# KiCad board PowerBox.kicad_pcb (continued)
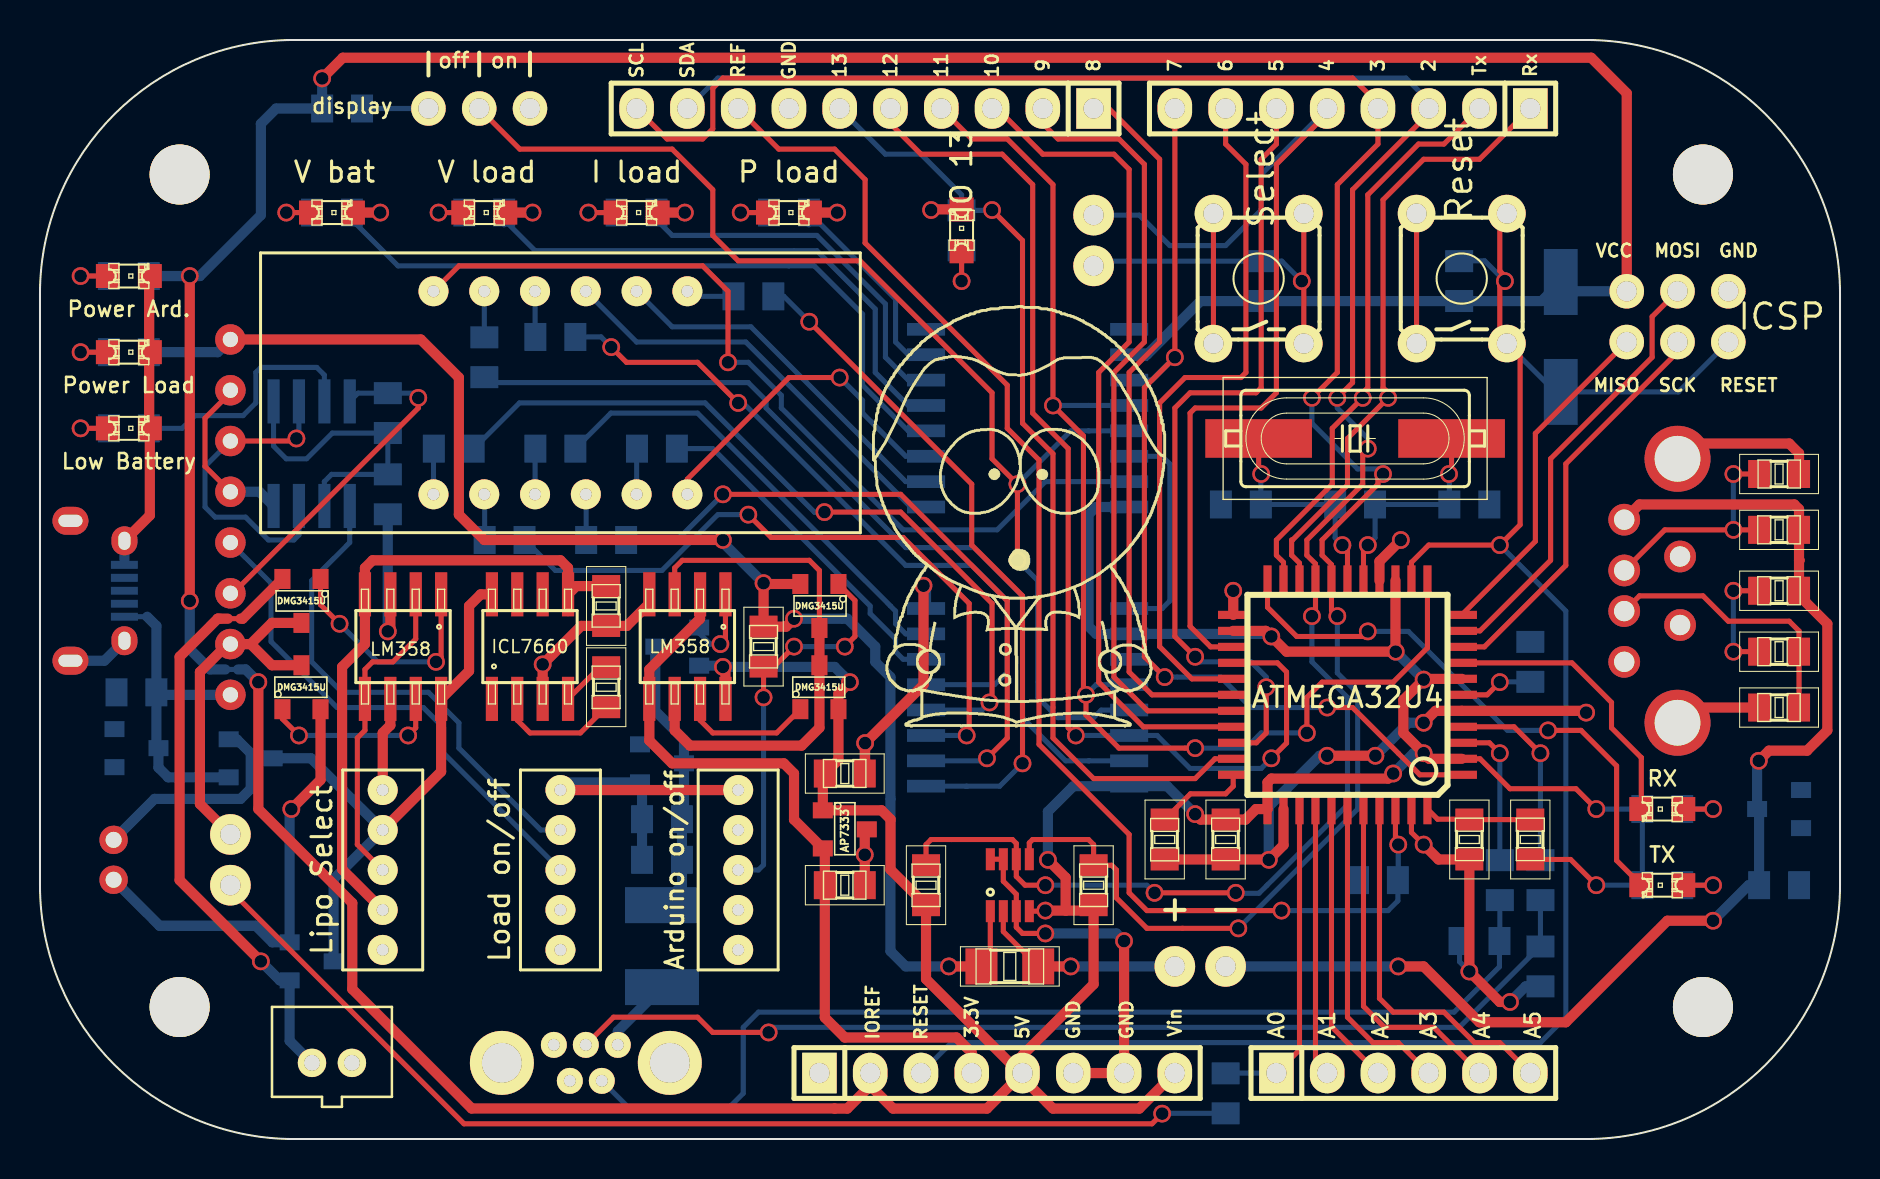
[diagram p0: board, top side]
## Routing (per net, layer and track width the routed paths; a pad name or vN(x,y) marks a point on that pad's centre or on a via; arc(x,y) is an arc through that point)
3V3: length 38.4
  Top w0.254: 39.16,12.8 C12.1
  Top w0.508: 33.02,27.25 33.02,26.03 30.48,23.5 30.48,19.94 31.62,18.8 37.21,18.8 37.72,18.29 37.72,15.98 U5.2 39.26,14.44 C12.1 39.26,6.08 40.26,5.08 45.85,5.08 46.61,4.32 P13.4
/Arduino/VCC: length 27.4
  Top w0.254: IC3.3 31.75,28.58 32.13,28.96 38.48,28.96 38.99,28.45 Q3.3 ; IC3.6 31.75,20.95
  Top w0.508: IC3.6 31.75,20.45 32.51,19.68 38.1,19.68 38.99,20.57 Q5.3 Q3.3
/Arduino/Vin+: length 74.8
  Top w0.254: R28.1 47.54,9.08 U4.1
  Top w0.508: v1(34.16,29.97) 22.22,29.97 20.95,31.24 20.95,38.1 19.05,40 PB1.8 ; v1(37.72,26.03) 37.32,25.64 R6.2 v1(36.19,27.81) 36.24,27.77 Q3.2 ; v1(45.47,8.64) R28.1
  Bottom w0.254: 8.89,39.37 PB1.8
  Bottom w0.508: PB1.8 8.89,39.37 R5.2 ; v1(36.19,27.81) 34.16,29.84 v1(34.16,29.97) ; v1(37.72,26.03) 40.39,26.03 41.78,24.64 41.78,23.88 42.54,23.11 42.54,9.4 43.31,8.64 v1(45.47,8.64)
/Arduino/Vin-: length 10.3
  Top w0.254: R28.2 48.19,10.38 U4.2
  Top w0.508: v1(51.56,8.64) R28.2
  Bottom w0.508: JP2.1 v1(51.56,8.64)
GND: length 195.6
  Top w0.254: 17.53,25.53 v1(17.4,25.4) ; v1(25.15,23.75) 25.27,23.88 ; PB1.5 8.25,33.66 8.25,36.07 9.53,37.34 PB1.7 ; 5.49,41.31 5.46,41.27 5.49,41.24 ; 5.49,37.37 5.46,37.34 5.49,37.3 ; 69.96,13.99 v1(69.22,14.73) 68.61,15.34 U6.43 ; 69.81,21.42 v1(69.22,20.83) ; 41.26,15.6 U5.3 41.26,15.39 ; 41.26,19.79 v1(41.28,19.81) ; 77.25,21.42 v1(77.34,21.34) ; v1(50.29,10.29) 49.15,10.29 48.84,10.6 U4.3 48.84,12.25 48.19,12.9 U4.7 U4.8 ; S4.2 S4.1 ; S5.2 S5.1
  Top w0.508: U5.3 41.26,15.39 v1(41.26,14.22) C12.2 ; v1(69.22,20.83) 69.81,21.42 U6.5 77.25,21.42 v1(77.34,21.34) ; v1(17.4,25.4) 17.53,25.53 IC2.3 ; D15.2 5.46,43.15 5.46,39.4 D5.2 5.46,39.34 5.46,35.59 D1.2 5.49,31.2 CON1.7 ; IC2.6 17.53,20.7 17.14,20.32 S1.5 ; v1(68.07,29.97) 67.01,28.91 U6.15 ; v1(69.22,14.73) 69.96,13.99 C18.2 v1(71.5,8.38) 73.03,6.86 v1(73.53,6.86) ; v1(44.58,46.48) 44.61,46.52 D16.2 ; v1(66.8,19.18) v1(64.39,19.18) ; CON2.8 82.68,21.59 R15.1 ; CON2.5 82.68,34.8 87.5,34.8 87.99,34.31 R12.1 ; 41.26,19.79 v1(41.28,19.81) ; 41.26,19.79 v1(41.28,19.81) ; 41.26,19.79 C9.2 ; 41.26,19.79 44.2,22.73 v1(44.2,27.69) ; v1(41.28,19.81) 41.28,18.31 ; v1(54.23,9.91) P13.7 P13.6 ; 30.48,27.25 30.48,26.8 29.35,25.67 C3.2 27.07,25.67 v1(25.15,23.75) U2.3 ; R35.1 C6.2 61.45,13.99 v1(61.47,13.97) 62.2,14.71 U6.35 ; S2.5 S3.4 ; D9.2 v1(39.88,46.36) ; D8.2 v1(32.26,46.36) ; D7.2 v1(24.64,46.36) ; U6.23 v1(59.69,27.43) ; D6.2 v1(17.02,46.36)
  Bottom w0.254: 30.12,17.74 D12.1 ; v1(71.5,8.38) 71.01,8.87 VR2.2 ; CON1.5 4.22,29.01 ; C8.2 29.81,13.97 ; D3.3 9.59,20
  Bottom w0.508: IC1.4 10.97,32.38 PB1.5 ; S2.5 26.42,17.84 D12.1 30.12,17.74 C10.2 C8.2 ; P2.1 5.73,17.02 10.03,17.02 10.54,17.53 10.54,19.3 9.84,20 D3.3 ; v1(73.53,6.86) 74.31,7.64 VR1.2 ; v1(66.8,19.18) 68.45,20.83 v1(69.22,20.83) ; v1(61.47,13.97) 61.47,16.64 64.01,19.18 v1(64.39,19.18) ; CON1.6 3.22,23.93 CON1.8 ; v1(44.2,27.69) 44.32,27.56 44.32,26.54 ; v1(54.23,9.91) 53.85,10.29 v1(50.29,10.29) ; R2.1 v1(17.4,25.4) ; CON1.7 4.22,29.01
A0: length 16.2
  Top w0.254: P14.1 63,4.46 U6.36
  Bottom w0.254: R37.1 59.33,3.3 P14.1
A1: length 13.4
  Top w0.254: P14.2 63.8,3.89 U6.37
A2: length 14.2
  Top w0.254: U6.38 64.6,5.63 P14.3
A3: length 15.6
  Top w0.254: P14.4 67.94,4.83 66.68,4.83 65.41,6.1 U6.39
A4: length 17.1
  Top w0.254: P14.5 69.72,5.59 67.26,5.59 66.21,6.64 U6.40
A5: length 18.6
  Top w0.254: P14.6 73.03,4.83 71.75,4.83 70.23,6.35 67.69,6.35 67.01,7.04 U6.41
AREF: length 68.8
  Top w0.254: v1(67.94,14.73) 67.81,14.87 U6.42 ; P11.8 36.96,49.53 39.75,49.53 41.28,48.01 41.28,44.83 48.39,37.72 48.39,35.56 49.97,33.97 49.97,19.75 54.48,15.24 54.48,12.32 55.37,11.43 v1(62.1,11.43)
  Bottom w0.254: 67.94,13.23 67.67,12.95 68.2,13.48 ; v1(62.1,11.43) 67.44,11.43 67.93,11.92 C16.1 67.94,12.97 v1(67.94,14.73)
Clock: length 52.9
  Top w0.254: U6.1 69.02,18.22 65.66,21.59 v1(64.39,21.59) ; P12.8 v1(56.77,39.12) 55.25,37.59 55.25,24.13 v1(56.26,23.11)
  Bottom w0.254: 55.63,37.97 v1(56.77,39.12) 55.63,37.97 ; 55.63,37.97 U3.11 ; U1.11 54.61,23.88 55.5,23.88 v1(56.26,23.11) 59.06,23.11 60.58,21.59 v1(64.39,21.59)
D0/RX: length 30.6
  Top w0.254: P12.1 72.01,49.02 69.22,49.02 67.18,46.99 67.18,37.59 67.44,37.34 v1(67.44,37.08) 65.41,35.05 65.41,32.72 62.65,29.97 62.61,29.97 62.61,29.21 63,28.82 U6.20
D1/TX: length 28.7
  Top w0.254: P12.2 70.23,49.78 68.96,49.78 66.42,47.24 66.42,37.59 66.17,37.34 v1(66.17,37.08) 64.64,35.56 64.64,32.77 61.85,29.97 61.85,29.21 62.2,28.85 U6.21
D2/SDA: length 104.6
  Top w0.254: v1(66.42,34.54) 66.17,34.29 66.17,32.77 63.37,29.97 63.37,29.21 63.8,28.78 U6.19 63.8,26.34 v1(63.63,26.16) ; v1(50.29,12.7) 49.28,12.7 48.84,13.14 U4.6 48.84,14.79 48.64,14.99 44.58,14.99 44.32,14.73 R25.2 ; v1(59.82,12.32) v1(55.75,12.32) ; v1(64.9,37.08) 65.66,37.85 65.66,47.5 69.47,51.31 P12.3 69.47,51.82
  Bottom w0.254: v1(66.42,34.54) 66.42,35.05 64.9,36.58 v1(64.9,37.08) ; P11.9 33.91,53.09 68.33,53.09 69.47,51.94 P12.3 ; v1(59.82,12.32) 59.84,12.3 60.98,12.3 65.41,16.72 65.41,22.1 63.63,23.88 v1(63.63,26.16) ; v1(55.75,12.32) 55.37,12.7 v1(50.29,12.7)
D3/SCL: length 104.9
  Top w0.254: v1(67.18,33.27) 66.93,33.02 66.93,32.77 64.13,29.97 64.13,29.21 64.6,28.74 U6.18 64.6,26.45 v1(64.9,26.16) ; P11.10 31.37,50.04 33.15,50.04 33.66,50.55 33.66,52.58 34.16,53.09 65.66,53.09 66.93,51.82 P12.4 66.93,49.78 64.9,47.75 64.9,38.35 v1(63.63,37.08) ; 52.4,14 R24.2 ; R24.2 53.61,13.7 53.85,13.46 53.85,12.06 55.37,10.54 v1(59.94,10.54) ; R24.2 52.71,14.73 52.45,14.99 49.66,14.99 49.49,14.82 U4.5
  Bottom w0.254: v1(67.18,33.27) 66.93,33.53 65.91,33.53 63.63,35.81 v1(63.63,37.08) ; v1(64.9,26.16) 64.9,23.32 65.91,22.31 65.91,16.51 v1(59.94,10.54)
D4: length 49.5
  Top w0.254: U6.25 58.56,24.63 57.53,25.65 57.53,36.32 57.78,36.58 61.09,36.58 61.85,37.34 61.85,48.77 64.39,51.31 P12.5
  Bottom w0.254: P12.5 61.09,48.26 61.09,46.48 59.31,44.7 56.51,44.7 54.99,46.23 JP5.1
D5: length 40.5
  Top w0.254: v1(61.34,22.61) 61.34,20.32 60.85,19.82 U6.31 ; P12.6 61.85,49.78 61.09,49.02 61.09,37.59 60.83,37.34 57.53,37.34 56.77,36.58 56.77,25.15 v1(57.78,24.13)
  Bottom w0.254: v1(57.78,24.13) 58.04,23.88 60.58,23.88 61.34,23.11 v1(61.34,22.61)
D6: length 35.1
  Top w0.254: P12.7 59.31,49.78 60.32,48.77 60.32,38.35 60.07,38.1 57.28,38.1 56.01,36.83 56.01,24.64 57.62,23.03 U6.27
DIG1: length 44.2
  Top w0.254: v1(34.42,38.86) 34.42,42.42 33.15,43.69 20.95,43.69 SEG1.12
  Bottom w0.254: v1(34.42,38.86) 35.43,38.86 37.08,37.21 37.08,36.58 43.18,30.48 47.88,30.48 50.29,32.89 U3.15
DIG2: length 21.5
  Bottom w0.254: SEG1.9 29.84,39.88 35.31,39.88 43.56,31.62 U3.1
DIG3: length 18.4
  Bottom w0.254: SEG1.8 31.62,40.64 35.56,40.64 43.31,32.89 U3.2
DIG4: length 16.8
  Top w0.254: v1(40,38.1) 37.47,38.1 32.38,33.02 SEG1.6
  Bottom w0.254: v1(40,38.1) 41.15,36.96 41.15,36.32 43.31,34.16 U3.3
En: length 25.3
  Bottom w0.254: IC1.1 15.49,29.84 13.59,27.94 13.59,23.88 15.11,22.35 19.43,22.35 20.95,20.83 20.95,19.56 25.05,15.46 S2.3
Enable: length 26.3
  Bottom w0.254: S2.2 20.19,19.3 20.19,20.57 19.18,21.59 14.86,21.59 11.56,24.89 11.56,27.81 PB1.4 ; PB1.4 9.53,29.72 ; PB1.4 9.91,29.84
IO_8: length 36.3
  Top w0.254: P11.1 53.47,51.56 56.01,49.02 56.01,39.88 54.48,38.35 54.48,23.37 55.63,22.22 U6.28
IO_9: length 39.6
  Top w0.254: P11.2 50.16,50.8 50.93,50.04 53.97,50.04 55.25,48.77 55.25,39.88 53.72,38.35 53.72,23.11 55.41,21.42 U6.29
IO_10: length 42.1
  Top w0.254: P11.3 47.88,51.56 50.16,49.28 53.72,49.28 54.48,48.51 54.48,39.88 52.96,38.35 52.96,22.86 55.19,20.62 U6.30
IO_11: length 65.1
  Top w0.254: U6.12 69.41,24.57 67.69,22.86 64.13,22.86 63.37,22.1 v1(63.37,20.32) ; P11.4 46.61,50.04 48.39,50.04 50.67,47.75 v1(50.67,36.7) 52.2,35.18 52.2,22.35 v1(52.32,22.22) 52.32,21.21 53.97,19.56 v1(57.78,19.56)
  Bottom w0.254: v1(63.37,20.32) 61.09,20.32 60.32,19.56 v1(57.78,19.56) 57.53,19.56 ; 52.45,36.7 52.48,36.7 ; 52.45,36.7 U3.12 ; 52.45,36.7 v1(50.67,36.7) ; v1(52.32,22.22) 52.83,22.73 U1.12
IO_12: length 55.6
  Top w0.254: v1(61.59,19.05) 62.36,19.81 62.36,23.37 61.9,23.83 U6.26 ; P11.5 42.54,50.8 44.07,49.28 48.13,49.28 49.66,47.75 49.66,36.32 51.44,34.54 51.44,22.35 ; v1(51.82,20.19) 51.44,20.57 51.44,22.22
  Bottom w0.254: v1(51.82,20.19) U1.14 55.88,20.19 57.53,18.54 61.09,18.54 v1(61.59,19.05)
IO_13: length 48.7
  Top w0.254: v1(47.62,46.48) 49.15,44.96 49.15,35.81 50.67,34.29 50.67,20.07 52.71,18.03 57.78,18.03 58.78,19.02 U6.32
  Bottom w0.254: 46.63,46.46 R34.2 ; R34.2 47.61,46.46 v1(47.62,46.48) ; R34.2 46.1,47.24 44.07,49.28 42.29,49.28 P11.6 40,51.54 ; R34.2 46.1,46.48
LBO: length 16.2
  Top w0.254: v1(12.83,35.05) 12.7,34.92 PB1.6
  Bottom w0.254: v1(12.83,35.05) 12.95,35.18 IC1.6 ; 9.65,34.92 PB1.6 8.25,33.66 8.25,31.62 8.76,31.11 10.29,31.11 11.43,29.97 12.7,29.97 12.95,30.23 IC1.3
LipoSwitch: length 17.1
  Top w0.254: IC2.2 18.8,25.02 17.65,23.88 16.64,23.88 16.26,23.5 IC2.5 ; IC2.5 16.26,20.45 15.88,20.07 15.88,14.73 S1.2 ; IC2.5 16.26,22.99
MISO: length 17.1
  Top w0.254: U6.11 74.8,29.91 74.8,35.31 P7.1
MOSI: length 22
  Top w0.254: U6.10 72.03,25.43 75.56,28.96 75.56,34.04 80.65,39.12 80.65,41.15 P7.4
RESET: length 98
  Top w0.254: S4.3 73.03,40.16 73.03,42.67 v1(73.28,42.93) 73.28,43.18 73.03,43.43 73.03,45.95 S4.4 ; S4.3 74.04,39.14 74.04,30.73 v1(73.03,29.72) 69.47,29.72 68.61,28.85 U6.13 ; S4.3 73.38,39.78
  Bottom w0.254: 76.12,36.83 76.07,36.87 76.07,37.11 ; P13.3 45.59,4.83 75.06,4.83 76.33,6.1 76.33,26.42 v1(73.03,29.72) ; R27.2 71.01,43.94 72.26,43.94 v1(73.28,42.93) ; P7.5 81.96,37.38 D11.1 75.8,37.38 S4.3
RXLED: length 14.3
  Top w0.254: 80.1,19.05 80.1,19.08 ; 80.1,19.05 80.1,19.08 ; 80.1,19.05 D13.2 ; 80.1,19.08 78.61,20.57 78.61,21.84 76.63,23.83 U6.8
SCK: length 20.4
  Top w0.254: U6.9 72.25,24.63 76.33,28.7 76.33,33.78 81.91,39.37 P7.3
SEGA: length 44
  Bottom w0.254: R16.2 22.5,37.85 35.43,37.85 36.32,36.96 36.32,36.58 43.31,29.59 46.74,29.59 49.15,27.18 49.15,21.08 51.31,18.92 52.45,18.92 ; 52.45,18.92 U1.15 ; 52.45,18.92 52.48,18.92
SEGB: length 34.2
  Top w0.254: v1(38.48,40.89) 46.61,32.77 46.61,29.72 49.15,27.18 v1(49.15,18.8)
  Bottom w0.254: v1(49.15,18.8) 48.01,17.65 46.35,17.65 ; v1(38.48,40.89) 37.21,42.16 R17.2 ; 46.35,17.65 46.33,17.65 ; 46.35,17.65 U1.1
SEGC: length 33.6
  Top w0.254: v1(34.16,32.26) 43.05,32.26 48.39,26.92 48.39,20.07 v1(47.37,19.05)
  Bottom w0.254: v1(34.16,32.26) 31.88,29.97 R18.2 ; v1(47.37,19.05) 47.24,18.92 U1.2
SEGD: length 34.6
  Top w0.254: v1(46.35,20.19) 46.48,20.32 46.48,26.8 43.18,30.1 36.58,30.1 v1(35.43,31.24)
  Bottom w0.254: v1(35.43,31.24) 33.91,31.24 31.12,28.45 25.78,28.45 24.26,29.97 R19.2 ; U1.3 v1(46.35,20.19)
SEGDP: length 23.2
  Bottom w0.254: 26.8,34.54 R23.2 28.56,36.32 32.89,36.32 42.8,26.42 42.8,25.78 43.31,25.27 U1.7
SEGE: length 40.1
  Top w0.254: v1(47.5,21.84) 47.62,21.97 47.62,26.8 43.05,31.37 v1(39.24,31.37)
  Bottom w0.254: v1(47.5,21.84) 47.12,21.46 U1.4 ; 38.73,31.37 v1(39.24,31.37) 38.73,31.37 ; 38.73,31.37 33.27,36.83 23.99,36.83 R20.2 21.97,34.54
SEGF: length 35
  Top w0.254: v1(34.93,36.83) 32.89,38.86 29.34,38.86 v1(28.58,39.62)
  Bottom w0.254: v1(34.93,36.83) 35.18,36.83 43.31,28.7 46.61,28.7 48.39,26.92 48.39,23.37 47.75,22.73 46.35,22.73 ; v1(28.58,39.62) 28.07,40.13 R21.2 ; 46.35,22.73 U1.5 ; 46.35,22.73 46.33,22.73
SEGG: length 17.4
  Bottom w0.254: R22.2 33.66,34.54 41.53,26.67 41.53,26.29 42.8,25.02 42.8,24.38 43.18,24 U1.6
TXLED: length 28.8
  Top w0.254: v1(75.44,20.45) 77.09,20.45 78.87,18.67 78.87,13.94 D14.2 ; v1(66.42,25.4) 66.17,25.15 62.87,25.15 61.4,26.61 U6.22
  Bottom w0.254: v1(66.42,25.4) 68.45,25.4 73.41,20.45 v1(75.44,20.45)
V+: length 29
  Top w0.508: S1.3 20.07,18.38 IC2.8 21.46,23.42 21.46,26.67 22.05,27.25 U2.8
  Bottom w0.508: D4.2 14.69,13.01 S1.3 13.56,19.05 D3.2
V-: length 33.9
  Top w0.254: 26.83,27.67 U2.5 26.42,26.29
  Top w0.508: S1.1 15.11,13.49 15.11,23.62 16.26,24.77 IC2.4 16.26,28.58 16.64,28.96 26.03,28.96 26.42,28.58 U2.5 26.83,27.67 C3.1
V_BATT: length 18.9
  Top w0.508: 10.54,24.77 11.6,23.71 Q2.3 ; 10.54,24.77 PB1.2 ; 10.54,24.77 11.6,25.82 Q1.3 ; 10.54,24.77 PB1.2 ; PB1.2 9.4,24.77 8,23.37 8,16.76 JP4.2
V_MP: length 19.5
  Top w0.254: v1(37.72,24.64) 36.72,23.64 R6.1 v1(36.19,22.1) ; v1(40.26,24.64) 40.77,25.15 40.77,26.94 Q3.1
  Bottom w0.254: S3.2 35.94,13.46 36.19,13.72 v1(36.19,22.1) ; v1(37.72,24.64) v1(40.26,24.64)
VREG_in: length 351
  Top w0.254: v1(34.16,23.62) 34.29,23.5 ; 39.94,22.29 v1(40.51,22.86) ; 69.49,19.02 v1(69.22,19.3) ; 39.26,16.55 U5.1 ; 47.37,1.52 P13.5 48.9,3.56 ; L1.2 76.56,13.99 v1(77.85,12.7) ; 69.25,23.03 v1(69.22,22.99) ; 67.81,24.4 v1(67.82,24.38) ; v1(77.85,16.51) 76.84,17.53 73.53,17.53 72.03,19.02 U6.2 ; 41.53,3.05 P13.2 ; v1(50.29,11.43) 50.26,11.4 U4.4
  Top w0.508: 41.53,2.67 40.39,1.52 39.75,1.52 39.75,1.53 21.59,1.53 15.62,7.5 15.62,11.81 10.92,16.51 v1(10.92,22.86) ; 41.53,2.67 42.67,1.52 47.37,1.52 P13.5 ; 41.53,2.67 P13.2 ; P13.5 49.02,3.3 44.32,8 R25.1 42.54,13.48 42.54,16 42.1,16.45 U5.1 39.16,18.19 C9.1 39.94,18.97 Q5.2 39.94,22.29 v1(40.51,22.86) ; P13.5 49.15,4.06 ; P13.5 49.15,4.19 52.71,7.75 R24.1 52.43,11.43 51.31,11.43 ; P13.5 49.15,3.05 50.67,1.52 54.99,1.52 P13.8 ; v1(67.69,18.29) 67.44,18.03 61.59,18.03 61.4,17.84 U6.34 60.83,16.51 60.31,15.98 C6.1 58.06,15.98 v1(57.78,16.26) ; v1(34.16,23.62) 34.29,23.5 IC3.8 ; v1(50.42,13.97) 51.31,13.08 51.31,11.43 ; 51.31,11.43 v1(50.29,11.43) ; v1(14.11,53.07) 15.15,54.1 77.6,54.1 79.38,52.32 P7.2 ; U6.24 61.32,25.43 v1(61.59,25.15) 62.36,24.38 v1(67.82,24.38) 67.81,24.4 U6.14 ; v1(7.49,26.92) v1(7.49,43.18) ; U6.7 69.25,23.03 v1(69.22,22.99) 68.2,21.97 68.2,20.32 v1(69.22,19.3) 69.49,19.02 U6.2
  Bottom w0.254: 34.1,23.69 v1(34.16,23.62) ; 75.63,41.93 76.12,42.42 ; 14.1,53.09 v1(14.11,53.07) ; 9.27,23.5 9.91,23.5 ; R27.1 71.52,41.93 ; R36.1 61.61,41.93 ; v1(77.85,12.7) R32.2 R31.2 v1(77.85,16.51)
  Bottom w0.508: v1(69.22,19.3) 68.71,19.3 v1(67.69,18.29) ; 14.1,53.09 v1(14.11,53.07) R3.1 11.81,51.56 11.05,50.8 11.05,46.23 8,43.18 v1(7.49,43.18) R33.2 ; 76.12,42.42 75.63,41.93 ; v1(40.51,22.86) 39.75,23.62 v1(34.16,23.62) 34.1,23.69 Q4.2 ; v1(61.59,25.15) 61.47,25.27 U1.10 52.83,25.27 52.45,25.65 52.45,31.24 52.83,31.62 U3.16 ; v1(57.78,16.26) 56.39,17.65 U1.16 51.69,17.65 50.42,16.38 v1(50.42,13.97) ; 9.91,23.5 10.29,23.5 v1(10.92,22.86) ; U3.10 55.37,39.24 58.06,41.93 R36.1 R27.1 75.12,41.93 D11.2 76.54,42.42 P7.2 ; v1(7.49,26.92) 7.49,24.51 8.51,23.5 9.27,23.5 ; v1(69.22,22.99) v1(67.82,24.38)
VS: length 17.4
  Top w0.254: v1(18.92,37.08) 18.92,36.58 9.65,27.3 PB1.3
  Bottom w0.254: IC1.8 15.91,37.32 R1.2 18.69,37.32 v1(18.92,37.08)
VUSB: length 14.8
  Bottom w0.254: 31.12,24.3 Q4.3 ; 32.11,18.69 D12.3 ; F1.2 31.12,11.94
  Bottom w0.508: F1.2 32.11,12.7 C8.1 C10.1 32.21,16.1 D12.3 32.21,19.98 30.78,21.42 Q4.3
XTAL1: length 11.1
  Top w0.254: v1(65.15,29.72) 65.41,29.46 U6.17 ; v1(61.09,33.27) 60.96,33.4 X1.2
  Bottom w0.254: v1(61.09,33.27) 61.07,33.26 C7.1 R26.1 64.79,30.08 v1(65.15,29.72)
XTAL2: length 11.1
  Top w0.254: v1(66.42,29.72) 66.21,29.5 U6.16 ; v1(70.48,33.27) 70.61,33.4 X1.1
  Bottom w0.254: v1(70.48,33.27) 70.5,33.26 C5.1 R26.2 66.78,30.08 v1(66.42,29.72)
Net-(C1-Pad1): length 17.7
  Bottom w0.254: 9.4,22.35 PB1.1 ; 5.82,25.67 5.36,26.13 CON1.1 ; 5.82,19.66 D2.3 5.82,19.66
  Bottom w0.508: 9.4,22.35 PB1.1 5.95,22.22 C1.1 ; 5.36,26.13 5.82,25.67 C1.1 ; C1.1 5.82,19.66 D2.3 5.93,18.59 6.41,18.1 D3.1
Net-(C2-Pad1): length 6.3
  Top w0.254: C2.1 27.03,20.32 24.51,20.32 23.88,20.95 23.88,22.02
Net-(C2-Pad2): length 3.5
  Top w0.254: 26.42,22.99 U2.4 28,23.6 C2.2
Net-(C4-Pad1): length 62.6
  Top w0.508: v1(83.69,10.92) 81.41,10.92 76.33,5.84 72.01,5.84 69.22,8.64 v1(67.94,8.64) ; CON2.1 80.01,31.75 87.76,31.75 87.99,31.51 R14.2 87.99,28.96 ; 88.01,28.96 87.99,28.96 ; 88.01,28.96 87.99,28.96 ; 88.01,28.96 87.99,28.96 ; 87.99,28.96 R11.2 87.99,27.2 89.41,25.78 89.41,20.45 88.39,19.43 86.49,19.43 v1(85.98,18.92)
  Bottom w0.254: 86,16.41 D10.3 ; 85.47,12.7 C4.1
  Bottom w0.508: v1(85.98,18.92) 85.9,18.84 D10.3 86,16.41 C4.1 85.47,12.7 v1(83.69,10.92) ; JP2.2 v1(67.94,8.64)
Net-(C11-Pad1): length 3.7
  Top w0.254: v1(73.03,22.86) 72.39,22.22 U6.6
  Bottom w0.254: v1(73.03,22.86) 73.04,22.88 C11.1
Net-(C18-Pad1): length 5.4
  Top w0.254: U6.44 69.91,16 71.48,16 C18.1 L1.1
Net-(CON2-Pad2): length 11.7
  Top w0.254: CON2.2 81.28,30.48 v1(84.71,30.48) R14.1 ; R12.2 v1(84.71,33.27)
  Bottom w0.254: v1(84.71,33.27) v1(84.71,30.48)
Net-(CON2-Pad3): length 13.6
  Top w0.254: CON2.3 80.01,27.18 83.19,27.18 84.46,25.91 87.5,25.91 87.99,25.42 R13.2 R15.2
Net-(CON3-Pad1): length 3.8
  Bottom w0.508: F1.1 28.91,5.39 CON3.1
Net-(CON3-Pad2): length 53.7
  Bottom w0.254: CON3.2 29.49,1.52 34.42,1.52 35.18,2.29 35.18,5.59 35.94,6.35 70.74,6.35 73.01,8.62 VR2.1 73.03,9.92 R29.1
Net-(CON3-Pad3): length 52.9
  Top w0.254: 27.3,4.83 CON3.3 28.69,6.1 32.89,6.1 33.66,5.33 v1(36.45,5.33)
  Bottom w0.254: v1(36.45,5.33) 36.7,5.59 70.99,5.59 75.04,9.63 VR1.1 R30.2
Net-(D1-Pad1): length 2.8
  Top w0.254: D1.1 v1(2.03,35.56)
  Bottom w0.254: v1(2.03,35.56) R4.1
Net-(D4-Pad1): length 30.8
  Top w0.254: 10.03,26.03 8.89,26.03 ; Q1.2 12.07,28.02
  Top w0.508: 8.89,26.03 9.02,26.03 ; 8.89,26.03 6.98,24.13 6.98,12.95 v1(11.05,8.89) ; 8.89,26.03 9.4,26.03 ; Q1.2 10.14,26.03 10.03,26.03
  Bottom w0.508: v1(11.05,8.89) 12,7.94 D4.1 12.49,4.91 13.59,3.81 P1.2
Net-(D4-Pad3): length 27.3
  Top w0.508: Q2.2 14.03,17.97 v1(12.57,16.51)
  Bottom w0.254: v1(12.57,16.51) 12.49,16.43
  Bottom w0.508: 10.8,10.67 5.99,10.67 ; 10.8,10.67 5.99,10.67 ; 10.8,10.67 11.62,9.84 D4.3 12.49,16.43 v1(12.57,16.51) ; 5.99,10.67 P2.2
Net-(D5-Pad1): length 2.8
  Top w0.254: v1(2.03,39.37) D5.1
  Bottom w0.254: R5.1 v1(2.03,39.37)
Net-(D6-Pad1): length 2.5
  Top w0.254: D6.1 v1(12.32,46.36)
  Bottom w0.254: v1(12.32,46.36) R7.2
Net-(D7-Pad1): length 2.5
  Top w0.254: v1(19.94,46.36) D7.1
  Bottom w0.254: R8.2 v1(19.94,46.36)
Net-(D8-Pad1): length 2.8
  Top w0.254: D8.1 v1(27.43,46.36)
  Bottom w0.254: v1(27.43,46.36) R9.2
Net-(D9-Pad1): length 2.8
  Top w0.254: v1(35.05,46.36) D9.1
  Bottom w0.254: R10.2 v1(35.05,46.36)
Net-(D13-Pad1): length 3
  Top w0.254: v1(83.69,16.51) D13.1
  Bottom w0.254: R31.1 v1(83.69,16.51)
Net-(D14-Pad1): length 3
  Top w0.254: D14.1 v1(83.69,12.7)
  Bottom w0.254: v1(83.69,12.7) R32.1
Net-(D15-Pad1): length 2.8
  Top w0.254: v1(2.03,43.18) D15.1
  Bottom w0.254: R33.1 v1(2.03,43.18)
Net-(D16-Pad1): length 3
  Top w0.254: D16.1 v1(46.1,42.93)
  Bottom w0.254: v1(46.1,42.93) R34.1
Net-(IC1-Pad2): length 15.4
  Bottom w0.254: IC1.2 14.22,32.89 14.59,33.26 R2.2 R1.1 14.62,35.32 13.33,34.04 12.32,34.04 11.68,34.67 IC1.5
Net-(IC1-Pad7): length 12.4
  Bottom w0.254: R4.2 7.11,35.56 7.75,36.19 10.16,36.19 10.8,36.83 10.8,38.35 11.05,38.61 13.84,38.61 14.22,38.23 IC1.7
Net-(IC2-Pad1): length 12.1
  Top w0.254: v1(14.99,25.78) 14.03,26.73 Q1.1 14.03,28.38 ; v1(19.81,23.88) 20.07,24.13 IC2.1
  Bottom w0.254: v1(14.99,25.78) 16.89,23.88 v1(19.81,23.88)
Net-(IC2-Pad7): length 9.1
  Top w0.254: v1(12.95,20.19) 12.13,21.02 Q2.1 ; v1(18.41,20.19) 18.8,20.57 IC2.7
  Bottom w0.254: v1(12.95,20.19) v1(18.41,20.19)
Net-(IC3-Pad1): length 4.2
  Top w0.254: v1(34.04,24.77) 34.29,25.02 IC3.1
  Bottom w0.254: v1(34.04,24.77) 33.53,24.77 32.98,25.32 Q4.1
Net-(IC3-Pad7): length 6.8
  Top w0.254: Q5.1 36.85,20.32 33.66,20.32 33.02,20.95 33.02,22.02
Net-(JP1-Pad2): length 60.9
  Top w0.254: v1(48.9,28.96) v1(48.9,32.77) 47.62,34.04 47.62,37.34 41.02,43.94 34.93,43.94 33.66,45.21 33.66,47.5 31.62,49.53 24,49.53 JP1.2
  Bottom w0.254: v1(48.9,32.77) 51.56,35.43 52.45,35.43 ; 52.45,35.43 52.48,35.43 ; 52.45,35.43 U3.13 ; v1(48.9,28.96) 49.91,27.94 49.91,22.1 50.93,21.08 52.71,21.08 53.09,21.46 U1.13
Net-(JP1-Pad3): length 3.3
  Bottom w0.254: R3.2 JP1.3
Net-(JP4-Pad1): length 55.1
  Top w0.254: v1(56.13,1.27) 55.63,0.76 21.21,0.76 9.53,12.45 JP4.1
  Bottom w0.254: v1(56.13,1.27) 56.15,1.29 R37.2
Net-(JP5-Pad2): length 17.8
  Top w0.254: S5.3 63.22,42.82 v1(63.12,42.93) 63.22,43.03 S5.4
  Bottom w0.254: v1(63.12,42.93) 62.12,43.92 R36.2 52.94,43.92 JP5.2 ; 53.2,43.92 52.96,43.69
Net-(R7-Pad1): length 35.5
  Bottom w0.254: U3.4 43.43,35.43 41.15,37.72 41.15,41.27 38.73,43.69 17.91,43.69 15.6,45.99 R7.1
Net-(R8-Pad1): length 27.8
  Bottom w0.254: U3.5 43.43,36.7 41.78,38.35 41.78,41.53 38.86,44.45 24.77,44.45 23.22,45.99 R8.1 23.22,45.74
Net-(R9-Pad1): length 18.7
  Bottom w0.254: U3.6 43.43,37.97 42.29,39.12 42.29,41.78 38.86,45.21 31.62,45.21 30.84,45.99 R9.1
Net-(R10-Pad1): length 10.7
  Bottom w0.254: 38.46,45.74 R10.1 42.8,42.02 42.8,39.88 43.43,39.24 U3.7
Net-(R11-Pad1): length 5.6
  Top w0.254: v1(84.71,24.38) R13.1 ; R11.1 v1(84.71,27.43)
  Bottom w0.254: v1(84.71,27.43) v1(84.71,24.38)
Net-(R16-Pad1): length 2.3
  Bottom w0.254: SEG1.11 R16.1
Net-(R17-Pad1): length 2.4
  Bottom w0.254: SEG1.7 32.64,42.16 R17.1
Net-(R18-Pad1): length 2.3
  Bottom w0.254: SEG1.4 27.32,32.24 R18.1
Net-(R19-Pad1): length 2.3
  Bottom w0.254: SEG1.2 22.24,32.24 R19.1
Net-(R20-Pad1): length 2.3
  Bottom w0.254: R20.1 19.69,34.53 SEG1.1
Net-(R21-Pad1): length 2.3
  Bottom w0.254: R21.1 24.77,40.15 SEG1.10
Net-(R22-Pad1): length 2.3
  Bottom w0.254: R22.1 29.84,34.53 SEG1.5
Net-(R23-Pad1): length 2.3
  Bottom w0.254: R23.1 24.77,34.53 SEG1.3
Net-(R29-Pad2): length 7.5
  Top w0.254: v1(73.03,19.3) 72.5,19.82 U6.3
  Bottom w0.254: v1(73.03,19.3) R29.2
Net-(R30-Pad1): length 9.8
  Top w0.254: v1(75.06,19.3) 73.74,20.62 U6.4
  Bottom w0.254: v1(75.06,19.3) R30.1
Net-(R35-Pad2): length 4.7
  Top w0.254: R35.2 57.55,17.27 59.31,17.27 59.69,17.65 U6.33
Net-(U1-Pad9): length 11.2
  Bottom w0.254: U3.14 56.13,34.16 56.51,33.78 56.51,26.92 56.13,26.54 54.48,26.54

## Copper pours and planes (outline as drawn; the poured copper is in the pictures)
GND on Bottom: 89.92,11.94 89.79,10.92 89.66,10.16 89.28,8.64 88.52,6.86 87.5,5.33 86.49,4.06 85.98,3.56 84.46,2.29 82.68,1.27 80.39,0.51 77.98,0.13 12.19,0.13 11.05,0.25 9.53,0.51 8,1.02 6.48,1.78 4.95,2.79 2.92,4.83 2.16,5.84 1.4,7.11 0.89,8.38 0.38,10.16 0.13,12.45 0.13,42.67 0.38,44.7 0.89,46.48 1.65,48.26 2.41,49.53 3.68,51.05 5.21,52.32 6.73,53.34 8.51,54.1 10.29,54.61 12.57,54.86 78.36,54.86 79.88,54.61 81.79,54.1 82.93,53.59 84.2,52.83 84.96,52.32 85.98,51.44 87.5,49.78 88.26,48.51 89.03,46.99 89.53,45.47 89.79,44.45 89.92,43.05

## Text on the board
B.SilkS: Pascal Frehner,   31.07.15,    Power Box, Rev. A
F.SilkS: RESET | VCC | MISO | MOSI | SCK | GND | SCL | SDA | REF | 13 | IOREF | 12 | 11 | 3.3V | 10 | 5V | 9 | 8 | 7 | Vin | 6 | 5 | 4 | 3 | 2 | Tx | Rx | display | off | on | A0 | A1 | A2 | A3 | A4 | A5
